# KiCad board rabbit_mask_capacitors.kicad_pcb
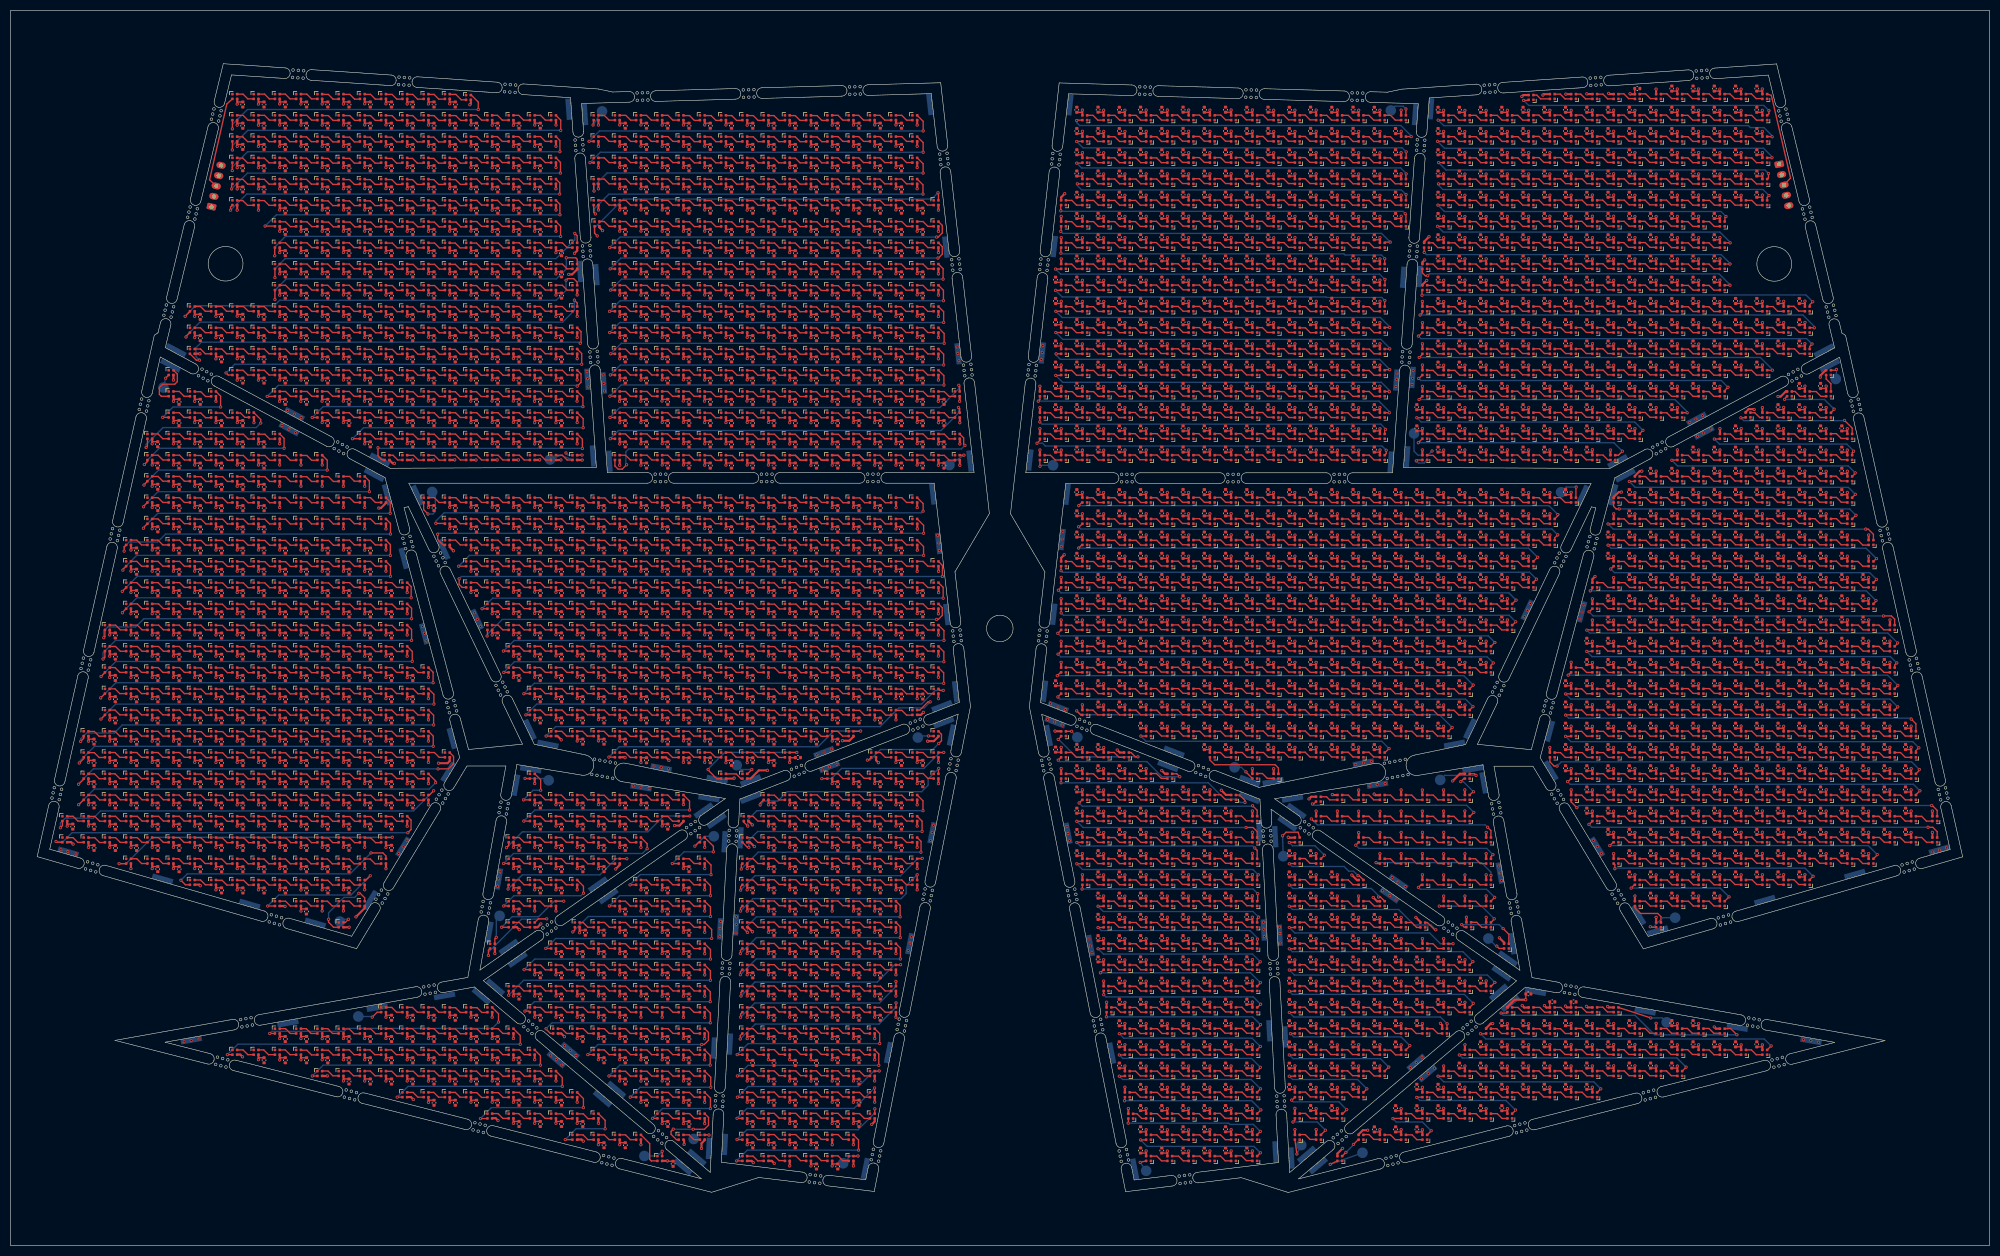
[diagram p0: board, top side]
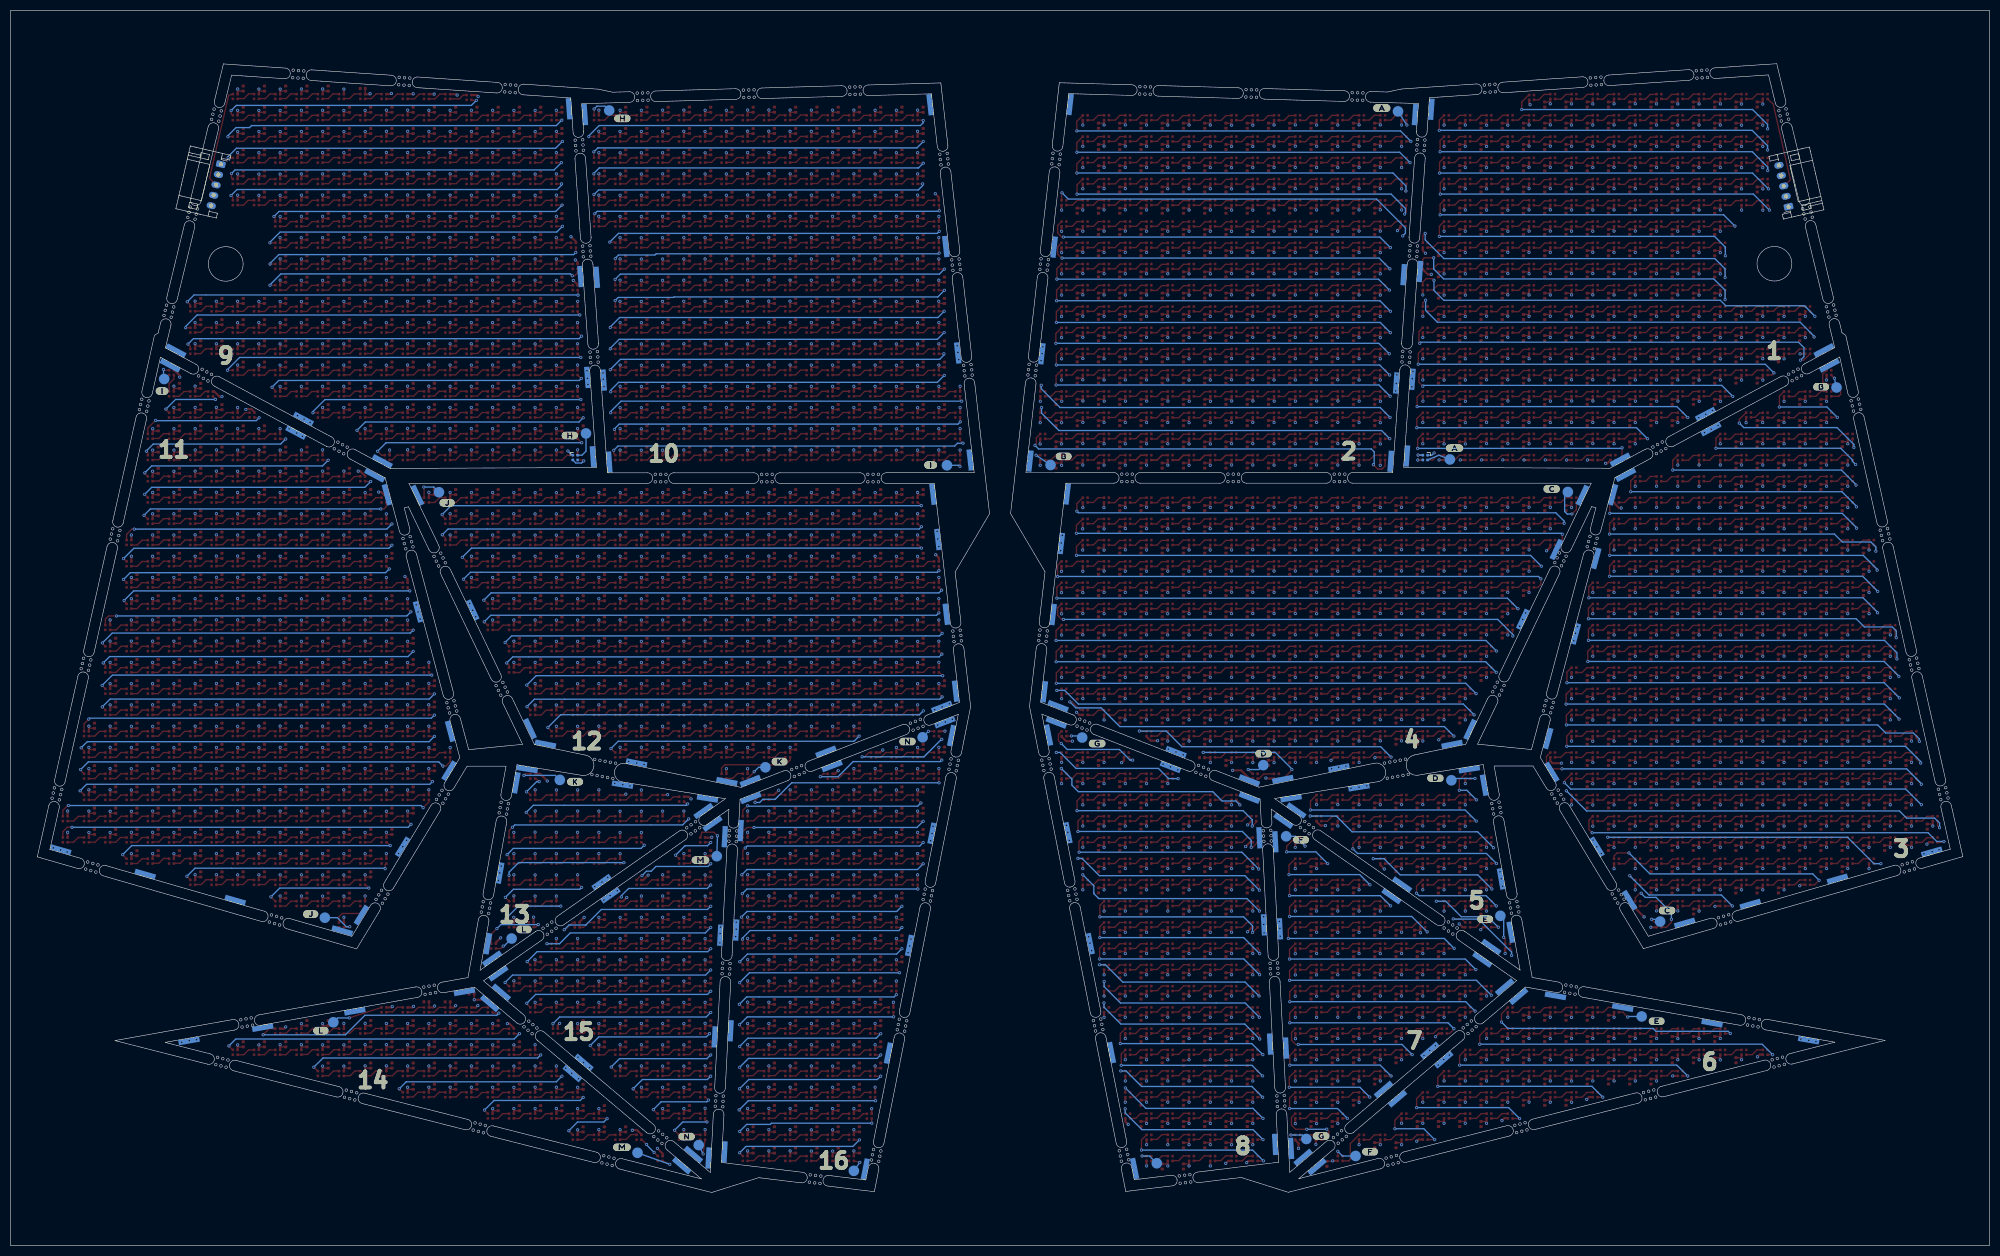
[diagram p1: board, bottom side, seen from below]

Outline 372.48 x 232.54 mm; copper layers: Top, Bottom. Coordinates in mm from the lower left corner of the outline.
Stack: Top 0.035mm / dielectric 1.51mm FR4 er 4.5 / Bottom 0.035mm

## Placement (name value [footprint] x y rotation side)
C1485  0.1uF  [C_0402_1005Metric]  308.7 137.86 90 top
C1485#2  0.1uF  [C_0402_1005Metric]  244.7 169.86 90 top
C1485#3  0.1uF  [C_0402_1005Metric]  228.7 29.84 90 top
C1485#4  0.1uF  [C_0402_1005Metric]  167.7 90.86 270 top
C1485#5  0.1uF  [C_0402_1005Metric]  103.7 162.86 270 top
C1485#6  0.1uF  [C_0402_1005Metric]  111.7 122.86 270 top
C1485#7  0.1uF  [C_0402_1005Metric]  27.68 150.88 270 top
C1485#8  0.1uF  [C_0402_1005Metric]  228.7 121.86 90 top
C1485#9  0.1uF  [C_0402_1005Metric]  208.7 201.86 90 top
C1485#10  0.1uF  [C_0402_1005Metric]  123.7 154.86 270 top
C1485#11  0.1uF  [C_0402_1005Metric]  252.7 49.84 90 top
C1485#12  0.1uF  [C_0402_1005Metric]  256.71 101.86 90 top
C1485#13  0.1uF  [C_0402_1005Metric]  296.7 153.86 90 top
C1485#14  0.1uF  [C_0402_1005Metric]  115.7 50.86 270 top
C1485#15  0.1uF  [C_0402_1005Metric]  212.7 125.86 90 top
C1485#16  0.1uF  [C_0402_1005Metric]  115.7 206.86 270 top
C1485#17  0.1uF  [C_0402_1005Metric]  87.7 134.86 270 top
C1485#18  0.1uF  [C_0402_1005Metric]  163.7 74.86 270 top
C1485#19  0.1uF  [C_0402_1005Metric]  31.72 122.84 270 top
C1485#20  0.1uF  [C_0402_1005Metric]  143.7 210.86 270 top
C1485#21  0.1uF  [C_0402_1005Metric]  280.7 33.86 90 top
C1485#22  0.1uF  [C_0402_1005Metric]  131.7 210.86 270 top
C1485#23  0.1uF  [C_0402_1005Metric]  83.7 26.86 270 top
C1485#24  0.1uF  [C_0402_1005Metric]  308.7 73.86 90 top
C1485#25  0.1uF  [C_0402_1005Metric]  23.7 130.86 270 top
C1485#26  0.1uF  [C_0402_1005Metric]  175.7 150.86 270 top
C1485#27  0.1uF  [C_0402_1005Metric]  316.7 101.86 90 top
C1485#28  0.1uF  [C_0402_1005Metric]  159.7 134.86 270 top
C1485#29  0.1uF  [C_0402_1005Metric]  224.7 201.86 90 top
C1485#30  0.1uF  [C_0402_1005Metric]  167.7 118.86 270 top
C1485#31  0.1uF  [C_0402_1005Metric]  167.7 134.86 270 top
C1485#32  0.1uF  [C_0402_1005Metric]  63.7 166.86 270 top
C1485#33  0.1uF  [C_0402_1005Metric]  252.7 61.84 90 top
C1485#34  0.1uF  [C_0402_1005Metric]  316.7 177.86 90 top
C1485#35  0.1uF  [C_0402_1005Metric]  83.7 210.86 270 top
C1485#36  0.1uF  [C_0402_1005Metric]  143.7 46.86 270 top
C1485#37  0.1uF  [C_0402_1005Metric]  336.7 157.86 90 top
C1485#38  0.1uF  [C_0402_1005Metric]  320.7 133.86 90 top
C1485#39  0.1uF  [C_0402_1005Metric]  123.7 190.86 270 top
C1485#40  0.1uF  [C_0402_1005Metric]  344.7 125.86 90 top
C1485#41  0.1uF  [C_0402_1005Metric]  300.7 97.86 90 top
C1485#42  0.1uF  [C_0402_1005Metric]  348.7 89.86 90 top
C1485#43  0.1uF  [C_0402_1005Metric]  216.7 181.88 90 top
C1485#44  0.1uF  [C_0402_1005Metric]  143.7 134.86 270 top
C1485#45  0.1uF  [C_0402_1005Metric]  47.72 70.84 270 top
C1485#46  0.1uF  [C_0402_1005Metric]  83.7 194.86 270 top
C1485#47  0.1uF  [C_0402_1005Metric]  159.7 182.86 270 top
C1485#48  0.1uF  [C_0402_1005Metric]  67.7 158.86 270 top
C1485#49  0.1uF  [C_0402_1005Metric]  147.7 210.86 270 top
C1485#50  0.1uF  [C_0402_1005Metric]  316.7 41.86 90 top
C1485#51  0.1uF  [C_0402_1005Metric]  244.7 209.88 90 top
C1485#52  0.1uF  [C_0402_1005Metric]  131.7 170.86 270 top
C1485#53  0.1uF  [C_0402_1005Metric]  232.7 29.84 90 top
C1485#54  0.1uF  [C_0402_1005Metric]  220.7 29.84 90 top
C1485#55  0.1uF  [C_0402_1005Metric]  23.72 78.84 270 top
C1485#56  0.1uF  [C_0402_1005Metric]  200.7 85.86 90 top
C1485#57  0.1uF  [C_0402_1005Metric]  244.7 61.84 90 top
C1485#58  0.1uF  [C_0402_1005Metric]  224.7 161.88 90 top
C1485#59  0.1uF  [C_0402_1005Metric]  63.72 114.86 270 top
C1485#60  0.1uF  [C_0402_1005Metric]  71.7 210.86 270 top
C1485#61  0.1uF  [C_0402_1005Metric]  236.7 205.88 90 top
C1485#62  0.1uF  [C_0402_1005Metric]  280.7 173.86 90 top
C1485#63  0.1uF  [C_0402_1005Metric]  155.7 110.86 270 top
C1485#64  0.1uF  [C_0402_1005Metric]  212.7 29.84 90 top
C1485#65  0.1uF  [C_0402_1005Metric]  163.7 158.86 270 top
C1485#66  0.1uF  [C_0402_1005Metric]  272.7 33.86 90 top
C1485#67  0.1uF  [C_0402_1005Metric]  224.7 173.88 90 top
C1485#68  0.1uF  [C_0402_1005Metric]  280.7 185.86 90 top
C1485#69  0.1uF  [C_0402_1005Metric]  296.7 85.86 90 top
C1485#70  0.1uF  [C_0402_1005Metric]  312.7 205.86 90 top
C1485#71  0.1uF  [C_0402_1005Metric]  300.7 37.86 90 top
C1485#72  0.1uF  [C_0402_1005Metric]  119.7 138.86 270 top
C1485#73  0.1uF  [C_0402_1005Metric]  320.7 209.86 90 top
C1485#74  0.1uF  [C_0402_1005Metric]  67.7 38.86 270 top
C1485#75  0.1uF  [C_0402_1005Metric]  224.7 69.86 90 top
C1485#76  0.1uF  [C_0402_1005Metric]  224.7 65.86 90 top
C1485#77  0.1uF  [C_0402_1005Metric]  260.7 197.86 90 top
C1485#78  0.1uF  [C_0402_1005Metric]  127.7 130.86 270 top
C1485#79  0.1uF  [C_0402_1005Metric]  292.7 141.86 90 top
C1485#80  0.1uF  [C_0402_1005Metric]  115.72 82.84 270 top
C1485#81  0.1uF  [C_0402_1005Metric]  35.72 138.84 270 top
C1485#82  0.1uF  [C_0402_1005Metric]  312.7 121.86 90 top
C1485#83  0.1uF  [C_0402_1005Metric]  200.7 161.88 90 top
C1485#84  0.1uF  [C_0402_1005Metric]  216.7 121.86 90 top
C1485#85  0.1uF  [C_0402_1005Metric]  268.7 165.86 90 top
C1485#86  0.1uF  [C_0402_1005Metric]  296.7 149.86 90 top
C1485#87  0.1uF  [C_0402_1005Metric]  27.72 94.84 270 top
C1485#88  0.1uF  [C_0402_1005Metric]  55.72 130.84 270 top
C1485#89  0.1uF  [C_0402_1005Metric]  143.7 110.86 270 top
C1485#90  0.1uF  [C_0402_1005Metric]  95.7 158.86 270 top
C1485#91  0.1uF  [C_0402_1005Metric]  175.7 146.86 270 top
C1485#92  0.1uF  [C_0402_1005Metric]  95.7 210.86 270 top
C1485#93  0.1uF  [C_0402_1005Metric]  127.7 150.84 270 top
C1485#94  0.1uF  [C_0402_1005Metric]  216.7 209.86 90 top
C1485#95  0.1uF  [C_0402_1005Metric]  155.7 70.86 270 top
C1485#96  0.1uF  [C_0402_1005Metric]  320.7 101.86 90 top
C1485#97  0.1uF  [C_0402_1005Metric]  328.7 89.86 90 top
C1485#98  0.1uF  [C_0402_1005Metric]  252.7 141.88 90 top
C1485#99  0.1uF  [C_0402_1005Metric]  143.7 78.86 270 top
C1485#100  0.1uF  [C_0402_1005Metric]  31.72 114.84 270 top
C1485#101  0.1uF  [C_0402_1005Metric]  55.72 86.84 270 top
C1485#102  0.1uF  [C_0402_1005Metric]  268.7 205.86 90 top
C1485#103  0.1uF  [C_0402_1005Metric]  107.7 54.86 270 top
C1485#104  0.1uF  [C_0402_1005Metric]  75.7 182.86 270 top
C1485#105  0.1uF  [C_0402_1005Metric]  260.7 37.84 90 top
C1485#106  0.1uF  [C_0402_1005Metric]  135.7 150.84 270 top
C1485#107  0.1uF  [C_0402_1005Metric]  296.7 97.86 90 top
C1485#108  0.1uF  [C_0402_1005Metric]  167.7 122.86 270 top
C1485#109  0.1uF  [C_0402_1005Metric]  147.7 130.86 270 top
C1485#110  0.1uF  [C_0402_1005Metric]  167.7 66.86 270 top
C1485#111  0.1uF  [C_0402_1005Metric]  288.7 185.86 90 top
C1485#112  0.1uF  [C_0402_1005Metric]  324.7 169.86 90 top
C1485#113  0.1uF  [C_0402_1005Metric]  228.7 137.86 90 top
C1485#114  0.1uF  [C_0402_1005Metric]  51.7 194.86 270 top
C1485#115  0.1uF  [C_0402_1005Metric]  208.7 49.86 90 top
C1485#116  0.1uF  [C_0402_1005Metric]  316.7 65.86 90 top
C1485#117  0.1uF  [C_0402_1005Metric]  123.7 94.86 270 top
C1485#118  0.1uF  [C_0402_1005Metric]  87.7 158.86 270 top
C1485#119  0.1uF  [C_0402_1005Metric]  312.7 41.86 90 top
C1485#120  0.1uF  [C_0402_1005Metric]  244.7 181.86 90 top
C1485#121  0.1uF  [C_0402_1005Metric]  35.72 110.84 270 top
C1485#122  0.1uF  [C_0402_1005Metric]  127.7 170.86 270 top
C1485#123  0.1uF  [C_0402_1005Metric]  91.7 138.86 270 top
C1485#124  0.1uF  [C_0402_1005Metric]  95.7 122.86 270 top
C1485#125  0.1uF  [C_0402_1005Metric]  264.7 121.86 90 top
C1485#126  0.1uF  [C_0402_1005Metric]  208.7 181.88 90 top
C1485#127  0.1uF  [C_0402_1005Metric]  155.7 50.86 270 top
C1485#128  0.1uF  [C_0402_1005Metric]  147.7 98.86 270 top
C1485#129  0.1uF  [C_0402_1005Metric]  308.7 177.86 90 top
C1485#130  0.1uF  [C_0402_1005Metric]  292.7 105.86 90 top
C1485#131  0.1uF  [C_0402_1005Metric]  31.72 118.84 270 top
C1485#132  0.1uF  [C_0402_1005Metric]  332.7 101.86 90 top
C1485#133  0.1uF  [C_0402_1005Metric]  204.7 121.86 90 top
C1485#134  0.1uF  [C_0402_1005Metric]  208.7 89.86 90 top
C1485#135  0.1uF  [C_0402_1005Metric]  131.7 150.84 270 top
C1485#136  0.1uF  [C_0402_1005Metric]  296.7 173.86 90 top
C1485#137  0.1uF  [C_0402_1005Metric]  31.72 70.84 270 top
C1485#138  0.1uF  [C_0402_1005Metric]  260.7 141.86 90 top
C1485#139  0.1uF  [C_0402_1005Metric]  79.7 34.86 270 top
C1485#140  0.1uF  [C_0402_1005Metric]  292.7 205.86 90 top
C1485#141  0.1uF  [C_0402_1005Metric]  312.7 217.86 90 top
C1485#142  0.1uF  [C_0402_1005Metric]  204.7 185.88 90 top
C1485#143  0.1uF  [C_0402_1005Metric]  167.7 70.86 270 top
C1485#144  0.1uF  [C_0402_1005Metric]  312.7 73.86 90 top
C1485#145  0.1uF  [C_0402_1005Metric]  316.7 69.86 90 top
C1485#146  0.1uF  [C_0402_1005Metric]  312.7 97.86 90 top
C1485#147  0.1uF  [C_0402_1005Metric]  115.7 102.86 270 top
C1485#148  0.1uF  [C_0402_1005Metric]  51.7 162.86 270 top
C1485#149  0.1uF  [C_0402_1005Metric]  336.7 133.86 90 top
C1485#150  0.1uF  [C_0402_1005Metric]  204.7 85.86 90 top
C1485#151  0.1uF  [C_0402_1005Metric]  268.7 193.86 90 top
C1485#152  0.1uF  [C_0402_1005Metric]  59.72 126.86 270 top
C1485#153  0.1uF  [C_0402_1005Metric]  163.7 54.86 270 top
C1485#154  0.1uF  [C_0402_1005Metric]  95.7 62.86 270 top
C1485#155  0.1uF  [C_0402_1005Metric]  79.7 206.86 270 top
C1485#156  0.1uF  [C_0402_1005Metric]  59.7 70.86 270 top
C1485#157  0.1uF  [C_0402_1005Metric]  252.7 45.84 90 top
C1485#158  0.1uF  [C_0402_1005Metric]  51.7 38.86 270 top
C1485#159  0.1uF  [C_0402_1005Metric]  272.71 101.86 90 top
C1485#160  0.1uF  [C_0402_1005Metric]  228.71 77.84 90 top
C1485#161  0.1uF  [C_0402_1005Metric]  324.7 137.86 90 top
C1485#162  0.1uF  [C_0402_1005Metric]  159.7 46.86 270 top
C1485#163  0.1uF  [C_0402_1005Metric]  224.7 105.86 90 top
C1485#164  0.1uF  [C_0402_1005Metric]  51.72 90.84 270 top
C1485#165  0.1uF  [C_0402_1005Metric]  240.7 133.86 90 top
C1485#166  0.1uF  [C_0402_1005Metric]  143.7 66.86 270 top
C1485#167  0.1uF  [C_0402_1005Metric]  260.7 129.86 90 top
C1485#168  0.1uF  [C_0402_1005Metric]  228.7 93.84 90 top
C1485#169  0.1uF  [C_0402_1005Metric]  159.7 22.86 270 top
C1485#170  0.1uF  [C_0402_1005Metric]  288.7 133.86 90 top
C1485#171  0.1uF  [C_0402_1005Metric]  232.7 153.88 90 top
C1485#172  0.1uF  [C_0402_1005Metric]  99.7 46.86 270 top
C1485#173  0.1uF  [C_0402_1005Metric]  143.7 38.86 270 top
C1485#174  0.1uF  [C_0402_1005Metric]  123.7 34.86 270 top
C1485#175  0.1uF  [C_0402_1005Metric]  135.7 154.86 270 top
C1485#176  0.1uF  [C_0402_1005Metric]  288.7 169.86 90 top
C1485#177  0.1uF  [C_0402_1005Metric]  332.7 145.86 90 top
C1485#178  0.1uF  [C_0402_1005Metric]  232.7 141.86 90 top
C1485#179  0.1uF  [C_0402_1005Metric]  127.7 134.86 270 top
C1485#180  0.1uF  [C_0402_1005Metric]  236.71 101.86 90 top
C1485#181  0.1uF  [C_0402_1005Metric]  91.7 202.86 270 top
C1485#182  0.1uF  [C_0402_1005Metric]  304.7 125.86 90 top
C1485#183  0.1uF  [C_0402_1005Metric]  47.7 146.84 270 top
C1485#184  0.1uF  [C_0402_1005Metric]  39.72 138.84 270 top
C1485#185  0.1uF  [C_0402_1005Metric]  276.7 189.86 90 top
C1485#186  0.1uF  [C_0402_1005Metric]  240.7 209.86 90 top
C1485#187  0.1uF  [C_0402_1005Metric]  268.7 213.86 90 top
C1485#188  0.1uF  [C_0402_1005Metric]  292.7 209.86 90 top
C1485#189  0.1uF  [C_0402_1005Metric]  143.7 98.86 270 top
C1485#190  0.1uF  [C_0402_1005Metric]  19.7 110.86 270 top
C1485#191  0.1uF  [C_0402_1005Metric]  196.7 93.36 90 top
C1485#192  0.1uF  [C_0402_1005Metric]  147.7 182.86 270 top
C1485#193  0.1uF  [C_0402_1005Metric]  55.7 158.86 270 top
C1485#194  0.1uF  [C_0402_1005Metric]  131.7 146.86 270 top
C1485#195  0.1uF  [C_0402_1005Metric]  151.7 198.86 270 top
C1485#196  0.1uF  [C_0402_1005Metric]  216.7 153.88 90 top
C1485#197  0.1uF  [C_0402_1005Metric]  163.7 58.86 270 top
C1485#198  0.1uF  [C_0402_1005Metric]  316.7 213.86 90 top
C1485#199  0.1uF  [C_0402_1005Metric]  296.7 193.86 90 top
C1485#200  0.1uF  [C_0402_1005Metric]  212.7 81.86 90 top
C1485#201  0.1uF  [C_0402_1005Metric]  167.7 114.86 270 top
C1485#202  0.1uF  [C_0402_1005Metric]  99.7 26.86 270 top
C1485#203  0.1uF  [C_0402_1005Metric]  83.7 38.86 270 top
C1485#204  0.1uF  [C_0402_1005Metric]  292.7 197.86 90 top
C1485#205  0.1uF  [C_0402_1005Metric]  244.7 137.86 90 top
C1485#206  0.1uF  [C_0402_1005Metric]  47.72 134.84 270 top
C1485#207  0.1uF  [C_0402_1005Metric]  155.7 154.86 270 top
C1485#208  0.1uF  [C_0402_1005Metric]  308.7 201.86 90 top
C1485#209  0.1uF  [C_0402_1005Metric]  115.7 210.86 270 top
C1485#210  0.1uF  [C_0402_1005Metric]  272.7 109.86 90 top
C1485#211  0.1uF  [C_0402_1005Metric]  91.7 198.86 270 top
C1485#212  0.1uF  [C_0402_1005Metric]  91.7 174.84 270 top
C1485#213  0.1uF  [C_0402_1005Metric]  47.72 102.84 270 top
C1485#214  0.1uF  [C_0402_1005Metric]  31.72 98.84 270 top
C1485#215  0.1uF  [C_0402_1005Metric]  55.72 122.84 270 top
C1485#216  0.1uF  [C_0402_1005Metric]  232.7 181.88 90 top
C1485#217  0.1uF  [C_0402_1005Metric]  147.7 154.86 270 top
C1485#218  0.1uF  [C_0402_1005Metric]  300.7 133.86 90 top
C1485#219  0.1uF  [C_0402_1005Metric]  95.7 134.86 270 top
C1485#220  0.1uF  [C_0402_1005Metric]  23.72 86.84 270 top
C1485#221  0.1uF  [C_0402_1005Metric]  294.2 45.86 0 top
C1485#222  0.1uF  [C_0402_1005Metric]  312.7 181.86 90 top
C1485#223  0.1uF  [C_0402_1005Metric]  232.7 185.86 90 top
C1485#224  0.1uF  [C_0402_1005Metric]  47.72 142.84 270 top
C1485#225  0.1uF  [C_0402_1005Metric]  224.7 109.86 90 top
C1485#226  0.1uF  [C_0402_1005Metric]  151.7 26.86 270 top
C1485#227  0.1uF  [C_0402_1005Metric]  99.7 190.86 270 top
C1485#228  0.1uF  [C_0402_1005Metric]  276.7 157.86 90 top
C1485#229  0.1uF  [C_0402_1005Metric]  224.71 77.84 90 top
C1485#230  0.1uF  [C_0402_1005Metric]  175.7 154.86 270 top
C1485#231  0.1uF  [C_0402_1005Metric]  220.7 17.86 90 top
C1485#232  0.1uF  [C_0402_1005Metric]  248.7 149.88 90 top
C1485#233  0.1uF  [C_0402_1005Metric]  236.7 189.88 90 top
C1485#234  0.1uF  [C_0402_1005Metric]  312.7 145.86 90 top
C1485#235  0.1uF  [C_0402_1005Metric]  35.72 90.84 270 top
C1485#236  0.1uF  [C_0402_1005Metric]  139.7 26.86 270 top
C1485#237  0.1uF  [C_0402_1005Metric]  163.7 102.86 270 top
C1485#238  0.1uF  [C_0402_1005Metric]  47.72 114.86 270 top
C1485#239  0.1uF  [C_0402_1005Metric]  316.7 113.86 90 top
C1485#240  0.1uF  [C_0402_1005Metric]  272.7 181.86 90 top
C1485#241  0.1uF  [C_0402_1005Metric]  312.7 177.86 90 top
C1485#242  0.1uF  [C_0402_1005Metric]  300.7 209.86 90 top
C1485#243  0.1uF  [C_0402_1005Metric]  15.72 78.84 270 top
C1485#244  0.1uF  [C_0402_1005Metric]  228.7 17.86 90 top
C1485#245  0.1uF  [C_0402_1005Metric]  348.7 81.86 90 top
C1485#246  0.1uF  [C_0402_1005Metric]  236.7 117.86 90 top
C1485#247  0.1uF  [C_0402_1005Metric]  320.7 73.86 90 top
C1485#248  0.1uF  [C_0402_1005Metric]  340.7 105.86 90 top
C1485#249  0.1uF  [C_0402_1005Metric]  220.7 169.86 90 top
C1485#250  0.1uF  [C_0402_1005Metric]  119.68 34.88 270 top
C1485#251  0.1uF  [C_0402_1005Metric]  143.7 102.86 270 top
C1485#252  0.1uF  [C_0402_1005Metric]  236.7 173.86 90 top
C1485#253  0.1uF  [C_0402_1005Metric]  71.7 150.86 270 top
C1485#254  0.1uF  [C_0402_1005Metric]  216.7 161.88 90 top
C1485#255  0.1uF  [C_0402_1005Metric]  240.7 125.86 90 top
C1485#256  0.1uF  [C_0402_1005Metric]  316.7 125.86 90 top
C1485#257  0.1uF  [C_0402_1005Metric]  328.7 105.86 90 top
C1485#258  0.1uF  [C_0402_1005Metric]  31.72 86.84 270 top
C1485#259  0.1uF  [C_0402_1005Metric]  284.7 125.86 90 top
C1485#260  0.1uF  [C_0402_1005Metric]  135.7 158.86 270 top
C1485#261  0.1uF  [C_0402_1005Metric]  292.7 165.86 90 top
C1485#262  0.1uF  [C_0402_1005Metric]  224.7 181.88 90 top
C1485#263  0.1uF  [C_0402_1005Metric]  163.7 138.86 270 top
C1485#264  0.1uF  [C_0402_1005Metric]  260.7 109.86 90 top
C1485#265  0.1uF  [C_0402_1005Metric]  276.7 165.86 90 top
C1485#266  0.1uF  [C_0402_1005Metric]  31.72 138.84 270 top
C1485#267  0.1uF  [C_0402_1005Metric]  232.7 37.86 90 top
C1485#268  0.1uF  [C_0402_1005Metric]  63.7 206.86 270 top
C1485#269  0.1uF  [C_0402_1005Metric]  236.7 185.88 90 top
C1485#270  0.1uF  [C_0402_1005Metric]  127.7 102.86 270 top
C1485#271  0.1uF  [C_0402_1005Metric]  131.7 122.86 270 top
C1485#272  0.1uF  [C_0402_1005Metric]  143.7 34.36 270 top
C1485#273  0.1uF  [C_0402_1005Metric]  111.7 110.86 270 top
C1485#274  0.1uF  [C_0402_1005Metric]  232.7 205.86 90 top
C1485#275  0.1uF  [C_0402_1005Metric]  300.7 33.86 90 top
C1485#276  0.1uF  [C_0402_1005Metric]  296.7 213.86 90 top
C1485#277  0.1uF  [C_0402_1005Metric]  256.7 189.86 90 top
C1485#278  0.1uF  [C_0402_1005Metric]  276.7 49.86 90 top
C1485#279  0.1uF  [C_0402_1005Metric]  288.7 137.86 90 top
C1485#280  0.1uF  [C_0402_1005Metric]  308.7 189.86 90 top
C1485#281  0.1uF  [C_0402_1005Metric]  115.7 182.86 270 top
C1485#282  0.1uF  [C_0402_1005Metric]  296.7 161.86 90 top
C1485#283  0.1uF  [C_0402_1005Metric]  39.72 98.84 270 top
C1485#284  0.1uF  [C_0402_1005Metric]  95.7 182.86 270 top
C1485#285  0.1uF  [C_0402_1005Metric]  196.7 181.86 90 top
C1485#286  0.1uF  [C_0402_1005Metric]  292.7 177.86 90 top
C1485#287  0.1uF  [C_0402_1005Metric]  127.7 174.86 270 top
C1485#288  0.1uF  [C_0402_1005Metric]  308.7 77.86 90 top
C1485#289  0.1uF  [C_0402_1005Metric]  75.7 154.86 270 top
C1485#290  0.1uF  [C_0402_1005Metric]  344.7 109.86 90 top
C1485#291  0.1uF  [C_0402_1005Metric]  155.7 178.86 270 top
C1485#292  0.1uF  [C_0402_1005Metric]  127.7 166.86 270 top
C1485#293  0.1uF  [C_0402_1005Metric]  320.7 193.86 90 top
C1485#294  0.1uF  [C_0402_1005Metric]  296.7 93.86 90 top
C1485#295  0.1uF  [C_0402_1005Metric]  43.72 130.84 270 top
C1485#296  0.1uF  [C_0402_1005Metric]  31.7 146.84 270 top
C1485#297  0.1uF  [C_0402_1005Metric]  155.7 182.86 270 top
C1485#298  0.1uF  [C_0402_1005Metric]  151.7 98.86 270 top
C1485#299  0.1uF  [C_0402_1005Metric]  123.7 82.86 270 top
C1485#300  0.1uF  [C_0402_1005Metric]  212.7 21.86 90 top
C1485#301  0.1uF  [C_0402_1005Metric]  159.7 150.84 270 top
C1485#302  0.1uF  [C_0402_1005Metric]  95.7 190.86 270 top
C1485#303  0.1uF  [C_0402_1005Metric]  147.7 110.86 270 top
C1485#304  0.1uF  [C_0402_1005Metric]  208.7 121.86 90 top
C1485#305  0.1uF  [C_0402_1005Metric]  272.71 25.84 90 top
C1485#306  0.1uF  [C_0402_1005Metric]  35.72 102.84 270 top
C1485#307  0.1uF  [C_0402_1005Metric]  228.7 113.86 90 top
C1485#308  0.1uF  [C_0402_1005Metric]  256.7 57.84 90 top
C1485#309  0.1uF  [C_0402_1005Metric]  115.7 18.86 270 top
C1485#310  0.1uF  [C_0402_1005Metric]  280.7 201.86 90 top
C1485#311  0.1uF  [C_0402_1005Metric]  51.72 74.84 270 top
C1485#312  0.1uF  [C_0402_1005Metric]  336.7 113.86 90 top
C1485#313  0.1uF  [C_0402_1005Metric]  304.7 81.86 90 top
C1485#314  0.1uF  [C_0402_1005Metric]  276.7 153.86 90 top
C1485#315  0.1uF  [C_0402_1005Metric]  47.72 86.84 270 top
C1485#316  0.1uF  [C_0402_1005Metric]  27.7 134.86 270 top
C1485#317  0.1uF  [C_0402_1005Metric]  127.7 198.86 270 top
C1485#318  0.1uF  [C_0402_1005Metric]  292.7 157.86 90 top
C1485#319  0.1uF  [C_0402_1005Metric]  71.69 122.84 270 top
C1485#320  0.1uF  [C_0402_1005Metric]  240.7 109.86 90 top
C1485#321  0.1uF  [C_0402_1005Metric]  119.7 190.86 270 top
C1485#322  0.1uF  [C_0402_1005Metric]  304.7 153.86 90 top
C1485#323  0.1uF  [C_0402_1005Metric]  107.7 118.86 270 top
C1485#324  0.1uF  [C_0402_1005Metric]  240.7 45.84 90 top
C1485#325  0.1uF  [C_0402_1005Metric]  63.7 198.86 270 top
C1485#326  0.1uF  [C_0402_1005Metric]  171.7 106.86 270 top
C1485#327  0.1uF  [C_0402_1005Metric]  248.7 189.86 90 top
C1485#328  0.1uF  [C_0402_1005Metric]  348.7 85.86 90 top
C1485#329  0.1uF  [C_0402_1005Metric]  316.7 37.86 90 top
C1485#330  0.1uF  [C_0402_1005Metric]  103.7 114.86 270 top
C1485#331  0.1uF  [C_0402_1005Metric]  111.7 98.86 270 top
C1485#332  0.1uF  [C_0402_1005Metric]  131.7 114.86 270 top